# Allegro board rt1064_som_wifi.brd (continued)
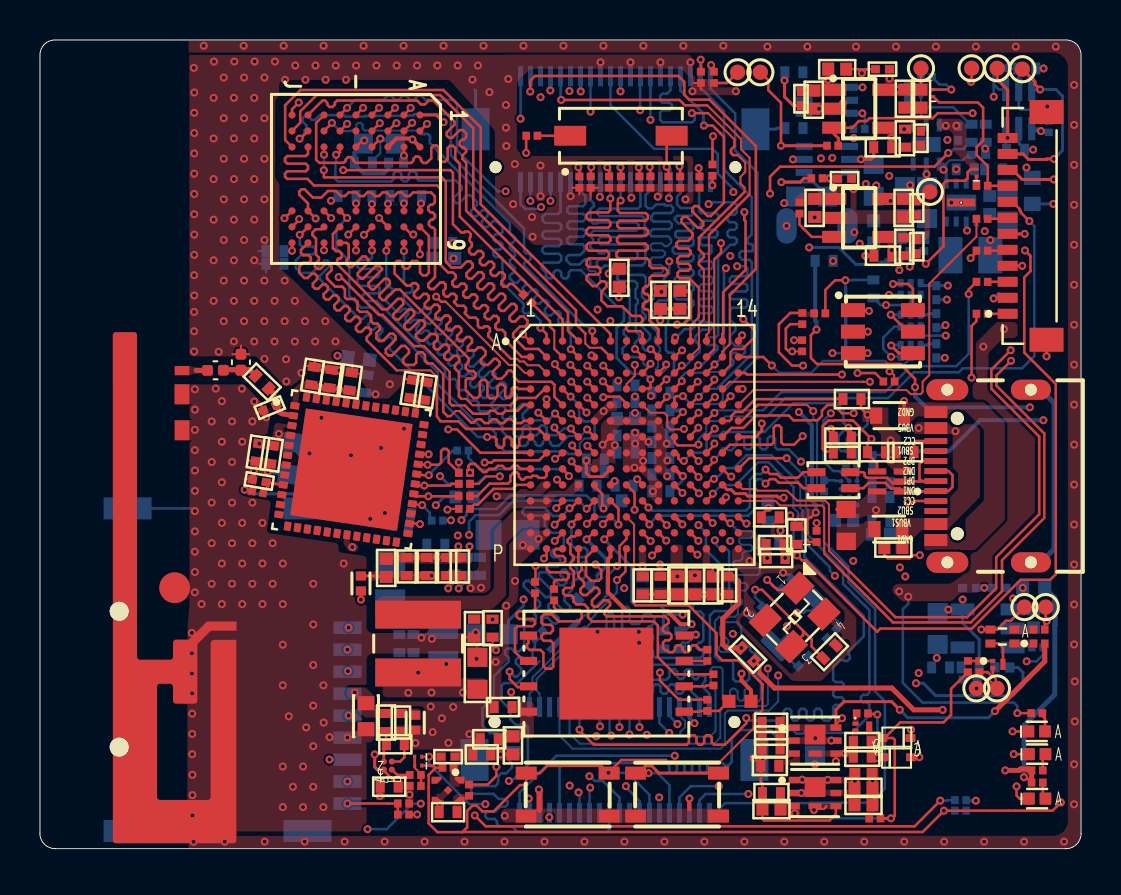
[diagram p0: board, top side]
## Copper pours and planes (outline as drawn; the poured copper is in the pictures) (continued)
GND on BOTTOM: 24.83,3 24.86,3.07 24.93,3.1 25.07,3.1 25.14,3.07 25.17,3 25.17,1.13 25.14,1.06 25.07,1.03 24.93,1.03 24.86,1.06 24.83,1.13
GND on BOTTOM: 22.31,13.91 22.31,13.52 22.26,13.42 22.16,13.37 20.42,13.37 20.42,13.91
GND on BOTTOM: 50.05,10.8 50.05,11.32 48.07,11.32 48.07,10.8
GND on BOTTOM: 42.31,18.6 42.75,18.6 42.75,15.41 42.31,15.41
GND on BOTTOM: 42.12,34.68 42.2,34.65 42.22,34.58 42.22,34.03 42.28,33.89 42.43,33.83 43.26,33.83 43.33,33.8 43.36,33.73 43.36,33.72 43.39,33.65 43.46,33.62 44.02,33.62 44.17,33.68 44.22,33.82 44.22,34.59 44.48,34.59 44.48,33.82 44.54,33.68 44.68,33.62 44.7,33.62 44.84,33.56 44.9,33.42 44.9,32.95 44.96,32.81 45.1,32.75 45.73,32.75 45.73,33.54 45.96,33.54 45.96,32.75 46.23,32.75 46.23,33.54 46.47,33.54 46.47,32.75 47.07,32.75 47.15,32.76 47.21,32.81 47.89,33.49 48.92,33.49 48.92,32.94 49.24,32.63 50.07,32.63 50.09,32.61 50.09,31.92 50.08,31.92 49.23,31.92 48.79,32.36 47.2,32.36 47.2,32.37 46.79,32.37 46.79,32 45.49,32 45.49,32.52 42.97,32.52 42.83,32.58 42.77,32.72 42.77,33.39 42.74,33.47 42.67,33.5 41.73,33.5 41.59,33.55 41.53,33.69 41.53,34.21 41.5,34.28 41.43,34.31 40.09,34.31 40.09,34.68 41.53,34.68
GND on BOTTOM: 39.06,18.03 40.22,18.03 40.22,18.01 40.22,17.23 40.21,17.18 40.18,17.14 40.13,17.09 40.1,17.04 40.09,16.99 40.09,15.72 40.09,15.52 40.11,15.41 40.18,15.31 40.82,14.67 40.89,14.57 40.91,14.45 40.91,14.32 40.87,14.21 40.76,14.17 40.75,14.17 40.68,14.19 40.61,14.23 39.55,15.29 39.51,15.35 39.5,15.43 39.5,16.11 39.49,16.11 39.49,17.48 39.43,17.62 39.29,17.68 39.06,17.68
GND on BOTTOM: 11.28,28.97 10.84,28.97 10.5,29.31 10.5,29.64 11.07,30.21 11.34,30.21 11.5,30.04 11.5,29.08 11.41,28.99 11.3,28.99
GND on BOTTOM: 44.39,10.67 44.86,10.67 44.86,10.66 45.3,10.66 45.3,9.87 44.86,9.87 44.86,8.78 44.39,8.78
GND on BOTTOM: 7.43,40.44 51.34,40.44 51.85,40.23 52.06,39.72 52.06,0.75 51.85,0.24 51.34,0.03 7.43,0.03 7.43,0.64 24.93,0.64 24.93,0.64 50.69,0.64 51.22,0.86 51.44,1.39 51.44,39.09 51.22,39.62 50.69,39.84 7.43,39.84
GND on SIG1: 7.43,40.44 51.34,40.44 51.85,40.23 52.06,39.72 52.06,0.75 51.85,0.24 51.34,0.03 7.36,0.03 7.36,0.64 24.93,0.64 24.93,0.64 50.69,0.64 51.22,0.86 51.44,1.39 51.44,39.09 51.22,39.62 50.69,39.84 7.43,39.84
GND on POWER: 7.46,40.47 51.32,40.47 51.82,40.26 52.04,39.75 52.04,0.78 51.82,0.27 51.32,0.06 7.46,0.06 7.46,0.66 24.9,0.66 24.9,0.66 50.66,0.66 51.19,0.88 51.41,1.41 51.41,39.12 51.19,39.65 50.66,39.87 7.46,39.87
GND_EARTH on BOTTOM: 44.75,14.83 50.15,14.83 50.56,14.41 50.56,14.19 50.2,13.84 44.77,13.84 44.42,14.19 44.42,14.49
GND_EARTH on BOTTOM: 44.72,23.46 50.11,23.46 50.53,23.04 50.53,22.83 50.17,22.47 44.73,22.47 44.38,22.82 44.38,23.12
VBUS on TOP: 43.91,21.35 45.31,21.35 45.38,21.33 45.45,21.29 45.57,21.17 45.64,21.12 45.71,21.11 45.97,21.11 46.05,21.12 46.12,21.17 46.13,21.18 46.2,21.23 46.27,21.24 46.69,21.24 46.77,21.23 46.83,21.18 46.97,21.04 47.02,20.98 47.03,20.9 47.03,17.67 47.02,17.6 46.97,17.53 45.39,15.95 44.13,15.95 43.47,15.29 43.47,14.8 43.45,14.79 42.81,14.79 42.81,16.52 42.83,16.55 45.4,16.55 45.49,16.63 45.54,16.7 45.55,16.78 45.55,17.52 45.57,17.6 45.61,17.66 45.88,17.93 45.92,18 45.94,18.08 45.94,18.79 45.74,19 45.69,19.06 45.68,19.14 45.68,20.66 45.59,20.74 45.31,20.74 45.3,20.75 43.75,20.75 43.75,21.2
VDD_1V1_CAP on TOP: 32.02,15.21 32.12,15.17 32.17,15.06 32.17,13.32 31.79,13.32 31.79,13.32 31.57,13.32 31.57,15.07 31.61,15.17 31.72,15.22 31.78,15.22
VDD_3V3_WIFI on BOTTOM: 15.33,24.11 15.28,23.66 16.64,23.45 16.85,24.75 16.21,24.83 16.11,24.02
VDD_HIGH_IN_3V3 on TOP: 33.16,15.07 33.2,15.18 33.31,15.22 33.38,15.22 33.45,15.21 33.52,15.17 33.53,15.12 33.53,15.07 33.53,14.32 33.86,13.99 33.87,13.97 33.88,13.95 34.7,13.95 34.7,13.31 33.73,13.31 33.73,13.3 33.35,13.3 33.35,13.88 33.35,13.88 33.16,14.07 33.16,14.23 33.16,14.23
VDD_SNVS_3V3 on TOP: 37.56,15.91 38.15,15.91 38.16,15.92 38.22,15.92 38.35,15.79 38.45,15.79 38.48,15.83 38.48,16.32 38.5,16.4 38.54,16.47 38.64,16.57 38.71,16.61 38.78,16.62 38.86,16.62 39.01,16.77 39.01,16.87 38.92,16.96 38.86,17.01 38.78,17.02 38.32,17.02 38.24,17.01 38.18,16.96 37.56,16.34 37.56,15.91
VDD_SNVS_IN on BOTTOM: 30.7,15.83 30.92,16.07 30.92,16.39 31.41,16.39 31.41,14.17 31.36,14.06 31.26,14.02 31.22,14.02 31.22,13.41 30.85,13.41 30.85,14.02 30.75,14.06 30.7,14.16
VDD_SNVS_IN on POWER: 38.66,16.5 40.6,16.5 40.6,13.18 40.52,13 40.35,12.93 35.36,12.93 35.35,12.92 34.96,12.92 34.77,12.89 34.62,12.78 34.5,12.67 34.4,12.51 34.36,12.33 34.36,11.28 34.33,11.09 34.22,10.94 33.24,9.96 33.09,9.85 32.9,9.82 32.48,9.82 32.34,9.88 32.28,10.02 32.28,10.17 32.28,11.23 32.48,11.42 32.48,12.25 32.42,12.39 32.28,12.45 31.28,12.45 30.8,12.65 30.6,13.12 30.6,13.63 30.57,13.82 30.46,13.97 30.13,14.31 30.03,14.46 29.99,14.65 29.99,15.69 30.03,15.87 30.13,16.03 30.41,16.31 30.49,16.37 30.59,16.39 35.88,16.39 36.12,16.14 36.67,16.14 36.67,15.77 36.88,15.56 37.34,15.56 37.56,15.78 37.56,16.14 38.31,16.14
VDD_SOC_IN on TOP: 28.36,21.53 28.48,21.61 28.61,21.64 30.94,21.64 31.09,21.58 31.14,21.44 31.14,21.3 31.2,21.24 31.24,21.06 31.36,20.93 31.36,20.36 31.41,20.31 31.42,20.29 31.43,20.27 31.41,20.22 31.36,20.2 31.36,19.55 31.44,19.47 31.46,19.45 31.46,19.43 31.44,19.38 31.4,19.36 31.38,19.37 31.36,19.37 31.36,18.88 31.32,18.78 31.23,18.73 31.21,18.71 31.19,18.71 31.16,18.71 31.14,18.72 31.06,18.72 30.81,18.83 30.71,19.07 30.71,20.95 30.65,21.11 30.48,21.18 29.11,21.18 29.05,21.17 29,21.14 28.83,20.97 28.94,20.85 28.83,20.74 28.81,20.74 28.81,20.26 28.83,20.23 28.84,20.19 28.84,20.17 28.82,20.14 28.81,20.13 28.81,19.78 28.81,19.77 28.81,19.37 28.76,19.26 28.65,19.22 28.18,19.22 28.08,19.17 28.03,19.07 28.03,18.99 27.99,18.89 27.88,18.84 27.69,18.84 27.59,18.89 27.54,18.99 27.54,19.37 28.07,19.89 28.07,20.86 28.07,21.09 28.1,21.23 28.18,21.35
VDD_SOC_IN on BOTTOM: 28.55,20.91 28.58,20.98 28.65,21.01 29.1,21.01 29.17,20.98 29.2,20.91 29.2,19.61 29.17,19.54 29.1,19.51 28.74,19.51 28.67,19.54 28.64,19.61 28.64,20.01 28.63,20.03 28.62,20.04 28.58,20.04 28.56,20.04 28.55,20.06
VDD_SOC_IN on BOTTOM: 21.83,16.46 23.1,16.46 23.12,16.44 23.12,14.29 23.13,14.21 23.17,14.15 23.21,14.11 23.28,14.01 23.3,13.9 23.3,13.16 23.27,13.04 23.21,12.95 22.26,12 22.2,11.96 22.12,11.94 19.36,11.94 19.3,11.93 19.25,11.9 19.21,11.86 19.17,11.81 19.16,11.75 19.16,11.33 19.12,11.22 19.01,11.18 18.42,11.18 18.31,11.13 18.27,11.03 18.27,10.5 17.84,10.5 17.84,10.51 17.69,10.51 17.68,10.52 17.68,11.32 17.73,11.47 17.88,11.52 18.02,11.52 18.16,11.58 18.22,11.72 18.22,12.06 18.28,12.2 18.42,12.26 19.79,12.26 19.91,12.33 19.96,12.46 19.96,12.47 20,12.58 20.11,12.62 21.94,12.62 21.99,12.63 22.04,12.67 22.09,12.71 22.45,13.07 22.51,13.17 22.53,13.28 22.53,13.89 22.51,14.01 22.45,14.1 22.38,14.16 22.29,14.23 22.17,14.25 21.98,14.25 20.68,14.25 20.68,14.26 20.41,14.26 20.41,14.72 20.35,14.86 20.21,14.92 20.03,14.92 20.03,15.33 20.47,15.33 20.47,15.72 20.53,15.86 20.67,15.92 21.01,15.92 21.15,15.86 21.21,15.72 21.21,15.53 21.27,15.39 21.41,15.33 21.63,15.33 21.78,15.39 21.83,15.53
VDD_SOC_IN on BOTTOM: 31.2,21.45 31.2,18.41 31.85,18.41 31.85,21.45
VDD_SOC_IN on POWER: 32.76,25.81 32.79,25.88 32.86,25.91 40.56,25.91 40.63,25.88 40.66,25.81 40.66,23.68 39,22.02 38.94,22.02 38.57,21.86 38.41,21.49 38.41,19.95 36.84,18.38 36.77,18.38 36.66,18.36 36.57,18.3 35.32,17.05 35.29,17.03 35.25,17.02 30.22,17.02 30.22,17.26 30.22,17.26 30.22,17.5 30.23,17.5 30.23,18.64 30.2,18.71 30.13,18.74 29.57,18.74 28.67,17.83 27.64,17.83 27.45,17.79 27.29,17.68 26.2,16.59 26.16,16.54 26.15,16.48 26.15,16.22 26.09,16.07 25.95,16.02 23.6,16.02 23.39,15.93 23.3,15.72 23.3,14.04 23.21,13.83 23,13.74 22.72,13.74 22.58,13.8 22.52,13.94 22.52,13.99 22.5,14.07 22.46,14.13 22.45,14.15 22.38,14.19 22.29,14.21 20.38,14.21 20.38,16.49 23.1,19.2 27.45,19.2 27.59,19.26 27.65,19.4 27.65,20.47 27.67,20.56 27.72,20.65 27.82,20.74 27.9,20.8 28,20.82 28.24,20.82 28.33,20.84 28.41,20.89 28.66,21.14 28.75,21.2 28.84,21.21 31.31,21.21 31.49,21.14 31.56,20.96 31.56,18.6 31.63,18.42 31.81,18.35 32.76,18.35
VDD_WIFI on TOP: 15.81,23.02 15.99,22.78 16.03,22.7 16.03,22.62 15.96,22.14 15.84,22.05 15.71,22.07 15.69,22.09 15.75,22.46 15.71,22.61 15.58,22.69 14.59,22.84 14.56,22.81 14.51,22.75 14.48,22.68 14.43,22.28 14.4,22.26 14.29,22.27 14.22,22.36 14.22,22.41 14.21,22.44 14.24,22.67 14.2,22.81 14.07,22.89 13.32,23.02 13.24,23.02 13.16,22.98 13.06,22.9 13.01,22.85 12.98,22.77 12.88,22.09 12.9,22.07 12.89,21.99 12.58,22.03 12.72,23 12.75,23.07 12.8,23.13 13.1,23.36 13.17,23.39 13.25,23.4
VDD_WIFI on TOP: 18.24,22.52 18.29,22.83 19.53,22.65 19.53,22.61 19.54,22.6 19.49,22.28 19.48,22.27 19.47,22.2 19.4,22.21 19.32,22.15 19.27,22.13 19.21,22.13 19.1,22.14 19.04,22.14 18.99,22.12 18.93,22.07 18.89,21.77 18.79,21.7 18.71,21.71 18.64,21.8 18.68,22.08 18.65,22.19 18.55,22.25 18.33,22.28 18.29,22.29 18.26,22.32 18.22,22.43 18.23,22.51
VDD_WIFI on TOP: 15.24,15.72 15.28,15.79 15.36,15.81 15.42,15.8 15.48,15.76 15.5,15.69 15.47,15.46 15.5,15.35 15.6,15.29 15.74,15.27 15.82,15.24 15.89,15.18 15.92,15.14 15.94,15.1 15.94,15.07 15.93,15.04 15.91,14.97 15.86,14.91 15.83,14.89 15.76,14.86 15.68,14.85 15.56,14.87 15.48,14.9 15.43,14.95 15.24,15.2 15.2,15.29 15.19,15.38
VDD_WIFI on TOP: 12.83,21.28 12.86,21.25 12.84,21.12 12.72,21.03 12.3,21.09 12.23,21.07 12.19,21.01 12.18,20.96 12.2,20.88 12.27,20.84 12.78,20.77 12.75,20.56 12.71,20.53 12.33,20.59 12.18,20.55 12.1,20.42 12.05,20.07 12.03,19.99 11.97,19.94 11.91,19.89 11.5,19.95 11.5,19.96 10.65,20.08 10.64,20.1 10.71,20.54 11.41,20.44 11.56,20.48 11.63,20.61 11.71,21.13 11.79,21.26 11.94,21.3 12.11,21.28 12.41,21.23 12.45,21.26 12.46,21.31 12.49,21.33
VDD_WIFI on BOTTOM: 13.24,23.04 15.76,22.66 15.82,23.14 13.31,23.48
VDD_WIFI on BOTTOM: 13.25,23.04 13.33,23.49 15.63,23.17 15.69,23.11 15.69,22.55 18.22,22.42 18.28,22.74 18.28,22.84 19.54,22.66 19.46,22.2 19.45,22.2 19.54,21.95 18.82,16.9 18.85,16.88 18.88,16.85 19.23,16.38 19.26,16.33 19.26,16.27 19.23,16.1 19.21,16.04 19.18,16 18.81,15.73 18.41,15.33 18.37,15.3 18.31,15.29 16.51,15.29 16.45,15.28 16.4,15.24 16.07,14.91 16.03,14.88 15.97,14.87 15.62,14.87 15.56,14.88 15.51,14.91 15.38,15.04 15.35,15.09 15.34,15.15 15.34,15.23 15.35,15.29 15.38,15.34 15.54,15.5 15.59,15.53 15.65,15.54 17.87,15.54 17.93,15.56 17.98,15.59 18.2,15.81 18.21,15.81 18.22,15.91 18.22,15.9 18.9,20.54 18.65,21.25 18.5,21.63 15.69,22.05 13.83,20.19 13.73,20.13 13.62,20.1 13.41,20.1 13.29,20.08 13.2,20.02 13.17,19.99 13.07,19.92 12.96,19.9 12.32,19.9 12.16,19.95 12.05,20.08 11.8,20.64 11.8,20.78 11.88,20.89 11.91,20.91 11.99,20.94 12.08,20.93 12.33,20.86 13.2,20.73 13.33,20.74 13.45,20.8 13.88,21.2 14.98,22.24 14.99,22.3 15.01,22.77
VDDA_ADC_3V3 on TOP: 34.75,15.82 34.8,15.94 34.91,15.98 34.98,15.98 35.03,15.94 35.6,15.94 35.67,15.92 35.74,15.88 35.83,15.78 35.83,15.78 35.94,15.68 35.95,15.67 36.12,15.5 36.57,15.5 36.57,15.5 36.57,14.31 36.22,14.31 36.2,14.32 36.18,14.33 35.77,14.74 35.72,14.81 35.71,14.88 35.71,15.42 35.64,15.55 35.51,15.6 34.95,15.6 34.81,15.66 34.75,15.8
VDDA_ADC_3V3 on BOTTOM: 35.84,15.6 36.29,15.6 36.3,15.6 36.3,15.18 36.49,14.99 36.49,14.99 36.61,14.87 36.61,14.26 36.18,14.26 35.84,14.6
DC_5V_IN on TOP: 36.8,6.62 37.27,6.62 37.27,6.38 37.31,6.27 37.42,6.23 37.95,6.23 37.95,6.23 40.11,6.23 40.11,5.9 39.41,5.9 39.31,5.85 39.26,5.75 39.26,5.72 39.31,5.62 39.41,5.57 40.11,5.57 40.11,5.25 39.26,5.25 39.26,5.23 38.34,5.23 38.34,5.25 37.42,5.25 37.31,5.2 37.27,5.09 37.27,4.72 36.8,4.72 ; 1 cut-out
DC_5V_IN on BOTTOM: 25.93,9.19 26.17,8.95 25.73,8.51 25.69,8.44 25.67,8.37 25.67,8.02 25.73,7.88 25.87,7.82 27.24,7.82 27.32,7.81 27.39,7.77 27.61,7.54 27.61,6.65 27.42,6.65 27.39,6.68 27.39,7.51 27.18,7.71 25.76,7.71 25.67,7.62 25.67,7.18 25.67,5.62 25.68,5.58 25.7,5.54 26.12,5.13 26.15,5.06 26.12,4.99 26.02,4.89 25.95,4.86 25.88,4.89 25.37,5.39 25.35,5.43 25.34,5.46 25.34,8.56 25.35,8.6 25.37,8.63
DC_5V_IN on POWER: 26.96,6.57 26.99,6.64 27.06,6.67 40.48,6.67 40.69,6.59 40.78,6.37 40.78,5.58 40.69,5.37 40.48,5.28 40.24,5.28 40.13,5.26 40.03,5.19 38.77,3.93 38.39,3.93 27.24,3.91 27.04,3.99 26.96,4.19 26.96,6.54
DC_SW_OUT on TOP: 23.61,16.83 23.71,16.9 23.82,16.92 25.31,16.92 25.39,16.9 25.45,16.86 25.48,16.84 25.53,16.76 25.55,16.67 25.55,16.36 25.46,16.15 25.25,16.06 24.25,16.06 24.13,16.04 24.04,15.97 23.41,15.34 23.34,15.25 23.32,15.13 23.32,14.28 23.32,14.28 23.32,13.13 23.32,13.13 23.32,12.75 23.31,12.67 23.26,12.6 22.97,12.31 22.77,12.11 22.62,12.01 22.43,11.97 21.83,11.97 21.79,11.97 21.22,11.97 21.12,11.93 21.07,11.82 21.07,11.42 20.79,11.13 16.77,11.13 16.77,12.14 16.81,12.33 16.91,12.49 16.94,12.51 17.1,12.62 17.28,12.65 22.17,12.65 22.34,12.69 22.5,12.79 22.5,12.79 22.63,12.92 22.69,13.02 22.72,13.13 22.72,13.13 22.72,14.28 22.72,14.28 22.72,15.81 22.74,15.93 22.81,16.03
DCDC_3V3 on TOP: 44.96,36.44 45.05,36.5 45.17,36.53 45.94,36.53 46.06,36.5 46.16,36.44 46.28,36.32 46.34,36.22 46.37,36.1 46.37,34.97 46.39,34.86 46.45,34.76 46.93,34.28 46.96,34.25 46.97,34.22 46.97,33.94 46.97,33.94 46.7,33.94 45.79,34.85 45.72,34.94 45.7,35.06 45.7,35.65 45.61,35.86 45.4,35.95 45.17,35.95 44.96,36.03 44.87,36.25 44.87,36.35
DCDC_3V3 on BOTTOM: 47.5,30.31 48.45,30.31 48.53,30.3 48.59,30.25 48.72,30.13 48.76,30.06 48.77,29.99 48.77,27.95 48.76,27.88 48.72,27.81 48.52,27.62 48.46,27.58 48.38,27.56 48.06,27.56 47.99,27.58 47.92,27.62 47.52,28.02 47.46,28.06 47.38,28.08 46.06,28.08 46,28.06 45.95,28.03 45.95,28.02 45.9,27.96 45.89,27.88 45.89,25.48 45.88,25.42 45.84,25.38 45.57,25.1 45.52,25.07 45.46,25.06 44.68,25.06 44.68,25.46 44.7,25.48 45.09,25.48 45.15,25.42 45.47,25.42 45.58,25.52 45.61,25.57 45.62,25.63 45.62,26.45 45.61,26.51 45.58,26.56 45.52,26.61 45.48,26.65 45.42,26.66 44.63,26.66 44.63,26.66 44.63,26.92 45.47,26.92 45.53,26.93 45.58,26.96 45.67,27.05 45.7,27.1 45.71,27.16 45.71,27.89 45.7,27.94 45.67,27.99 45.64,28.02 45.59,28.05 45.53,28.06 44.65,28.06 44.65,28.39 44.68,28.42 47.42,28.42 47.46,28.42 48.13,28.42 48.28,28.48 48.33,28.62 48.33,28.99 48.32,29.07 48.28,29.13 48.13,29.28 47.36,29.28 47.36,30.17
DCDC_3V3 on BOTTOM: 50.33,36.61 50.71,36.61 50.84,36.48 50.96,36.35 50.96,35.42 50.96,35.39 50.94,35.35 50.1,34.51 50.1,33.25 50.06,33.22 49.23,33.22 49.24,33.23 49.24,33.59 49.12,33.72 47.95,33.72 47.95,33.72 47.95,34.32 47.95,34.32 49.58,34.32 49.62,34.33 49.65,34.35 50.79,35.49 50.81,35.52 50.81,35.56 50.81,36.16 50.76,36.22 50.29,36.22 50.28,36.23 50.28,36.56
DCDC_3V3 on BOTTOM: 47.21,31.9 48.74,31.9 48.92,31.73 48.92,30.95 48.52,30.95 48.18,30.61 48.18,28.81 48.17,28.8 46.95,28.8 46.95,30.59 47.21,30.85 47.21,31.22 46.72,31.22 46.72,31.52 47.21,31.52
DCDC_3V3 on SIG1: 38.7,39.49 38.79,39.56 38.91,39.58 43.93,39.58 44.01,39.56 44.08,39.52 45.27,38.32 45.32,38.26 45.33,38.18 45.33,37.85 45.46,37.72 45.74,37.95 46.84,37.96 46.95,37.94 47.04,37.88 47.64,37.35 48.51,37.37 48.63,37.34 48.73,37.27 49.66,36.29 49.72,36.2 49.74,36.09 49.74,31.89 49.71,31.77 49.64,31.66 49.44,31.49 48.24,30.29 48.14,30.23 48.03,30.2 47.75,30.2 47.31,30.2 47.18,30.23 47.08,30.31 46.96,30.44 46.89,30.64 46.97,30.84 47.65,31.59 47.7,31.68 47.72,31.78 47.68,34.18 47.66,34.26 47.63,34.33 47.12,35.19 47.16,36.03 47.16,36.79 47.14,36.9 47.08,37 47,37.08 46.9,37.16 46.78,37.18 46.63,37.18 46.53,37.17 46.44,37.12 46.31,37.01 46.22,36.9 46.19,36.77 46.19,36.15 46.17,36.08 46.13,36.01 46.07,35.95 46,35.9 45.93,35.89 45.44,35.89 45.37,35.9 45.3,35.95 44.46,36.79 44.42,36.85 44.4,36.93 44.4,37.63 44.39,37.71 44.34,37.77 43.25,38.87 43.18,38.91 43.11,38.92 40.27,38.92 40.16,38.9 40.06,38.84 37.47,36.24 37.4,36.15 37.38,36.03 37.38,34.32 37.31,34.25 37.22,34.19 37.1,34.17 37.02,34.17 36.9,34.19 36.8,34.25 36.67,34.39 36.65,34.41 36.65,37.32 36.67,37.43 36.73,37.53
DCDC_3V3 on POWER: 7.47,39.65 9.55,39.65 9.55,22.49 9.4,22.49 9.4,21.15 9.42,21.07 9.46,21.01 9.99,20.48 19.66,20.48 19.74,20.46 19.81,20.42 20.17,20.06 20.21,19.99 20.23,19.92 20.23,18.57 20.24,18.55 20.4,18.39 20.76,18.39 20.84,18.4 20.9,18.44 21.94,19.48 21.94,22.19 22.06,22.32 26.13,22.32 27.3,21.15 27.3,19.32 27.27,19.29 22.9,19.29 20.24,16.62 20.24,14.02 21.27,14.02 21.27,9.92 21.24,9.9 17.77,9.9 17.77,7.68 21.44,7.68 21.44,9.16 21.76,9.16 21.93,8.99 22.01,8.93 22.1,8.92 23.28,8.92 23.35,8.95 23.38,9.02 23.38,9.31 23.36,9.4 23.31,9.48 23.24,9.55 23.19,9.62 23.17,9.72 23.17,10.34 23.17,10.34 23.17,10.91 23.21,10.95 23.28,11 23.35,11.01 24.57,11.01 24.68,11.04 24.78,11.1 28.16,14.48 28.23,14.51 28.3,14.48 31.32,11.45 31.39,11.41 31.46,11.4 32,11.4 32.14,11.34 32.2,11.2 32.2,9.99 32.27,9.81 32.45,9.74 33.18,9.74 33.31,9.76 33.41,9.83 33.89,10.31 34,10.39 34.14,10.41 35.27,10.41 35.41,10.55 35.41,11.8 35.7,12.1 44.96,12.1 45.01,12.15 45.12,12.31 45.16,12.5 45.16,16.42 45.08,16.6 44.91,16.67 43.01,16.67 43.01,22.19 41.59,22.19 41.48,22.16 41.38,22.1 40.67,21.39 40.61,21.29 40.58,21.18 40.58,20.09 40.57,20.01 40.53,19.95 37.36,16.78 37.36,15.86 37.31,15.72 37.16,15.66 37.01,15.66 36.87,15.72 36.81,15.86 36.81,17.21 36.79,17.28 36.75,17.35 36.66,17.43 36.62,17.5 36.61,17.57 36.61,17.76 36.62,17.84 36.66,17.91 37.03,18.27 37.04,18.27 39.13,20.37 39.19,20.46 39.22,20.58 39.22,21.85 41.01,23.64 40.82,23.64 40.82,26.12 31.97,26.12 31.83,26.18 31.77,26.32 31.77,27.99 31.71,28.13 31.57,28.19 26.29,28.19 26.16,28.14 26.11,28.01 26.11,22.64 26.07,22.53 25.96,22.49 22.13,22.49 22.13,22.49 11.75,22.49 11.4,22.64 11.25,22.99 11.25,27.86 11.4,28.22 11.75,28.36 20.19,28.36 20.54,28.51 20.69,28.86 20.69,37.37 20.83,37.73 21.19,37.87 34.84,37.87 34.84,36.95 34.89,36.8 35.04,36.75 36.56,36.75 36.7,36.69 36.76,36.55 36.76,35.5 36.76,35.5 36.76,31.68 36.82,31.54 36.96,31.48 39.53,31.48 39.74,31.4 39.83,31.18 39.83,30.84 39.85,30.72 39.92,30.62 40.57,29.97 40.67,29.91 40.78,29.88 43.32,29.88 43.43,29.91 43.53,29.97 44.44,30.88 44.5,30.98 44.53,31.1 44.53,31.18 44.61,31.4 44.83,31.48 46.94,31.48 47.08,31.42 47.14,31.28 47.14,11.35 47.12,11.25 47.07,11.17 46.78,10.88 46.7,10.83 46.6,10.81 45.56,10.81 45.47,10.79 45.39,10.74 42.49,7.84 35.71,7.84 35.57,7.9 35.51,8.04 35.51,8.72 35.45,8.87 35.31,8.92 34.82,8.92 34.68,8.87 34.62,8.72 34.62,8.04 34.56,7.9 34.42,7.84 25.19,7.84 25.09,7.74 24.9,7.74 24.72,7.7 24.56,7.6 22.72,5.76 22.62,5.6 22.58,5.42 22.58,4.11 22.52,3.97 22.38,3.91 12.66,3.91 12.48,3.88 12.32,3.77 11.57,3.02 11.41,2.92 11.23,2.88 7.52,2.88 7.47,2.88 7.47,14.77 7.48,14.83 7.48,21.13 7.47,21.13 7.47,22.47 7.47,22.48 7.47,23.5 7.47,23.5
DCDC_OUT on TOP: 16.77,9.54 19.02,9.54 19.02,9.54 20.91,9.54 20.94,9.51 20.94,8.52 22.19,8.52 22.34,8.46 22.39,8.32 22.39,7.58 18.05,7.58 18.05,8.11 16.77,8.11
DCDC_OUT on TOP: 17.15,9.54 19.4,9.54 19.4,9.53 21.07,9.53 21.07,8.53 21.32,8.53 21.32,7.58 17.35,7.58 17.21,7.63 17.15,7.78
DCDC_OUT on BOTTOM: 17.69,10.04 18.96,10.04 19.03,10.02 19.1,9.98 19.13,9.95 19.2,9.9 19.27,9.89 20.95,9.89 20.95,9.28 20.43,8.76 19.64,8.76 19.64,8.89 19.05,9.49 18.98,9.53 18.91,9.55 17.73,9.55 17.69,9.59
DCDC_OUT on POWER: 19.07,9.59 19.14,9.59 20.75,9.59 20.96,9.51 21.05,9.29 21.05,8.75 21.11,8.6 21.25,8.55 21.34,8.55 21.41,8.52 21.44,8.45 21.44,7.8 21.35,7.59 21.14,7.5 18.11,7.5 17.96,7.56 17.91,7.7 17.91,9.39 17.96,9.53 18.11,9.59
FB_U4 on TOP: 41.68,36.38 42.84,36.38 42.84,35.33 43.57,35.33 43.68,35.43 44.29,35.43 44.3,35.42 44.3,34.98 44.19,34.88 42.84,34.88 42.84,34.82 42.42,34.82 42.39,34.85 42.39,35.79 42.34,35.85 41.72,35.85 41.68,35.9 41.68,36.37
FB_U26 on BOTTOM: 46.42,8.27 46.42,10.37 45.88,10.37 45.88,8.27
FLASH_V on TOP: 23.44,7.37 24.52,7.37 24.66,7.31 24.72,7.17 24.72,5.71 24.66,5.57 24.52,5.51 23.99,5.51 23.99,5.32 23.16,5.32 23.16,5.19 22.72,5.19 22.72,5.78 22.72,5.77 23.16,5.77 23.31,5.93 23.33,5.93 23.33,5.94 23.82,5.94 23.96,6 24.02,6.14 24.02,6.66 23.96,6.81 23.82,6.86 23.44,6.86
FLASH_VCC on POWER: 45.45,10.62 45.52,10.67 45.59,10.68 46.12,10.68 46.31,10.56 46.26,10.34 45.75,9.82 45.75,9.82 42.8,6.87 42.72,6.82 42.62,6.8 40.91,6.8 26.33,6.8 26.31,6.73 26.3,6.67 26.3,4.11 26.26,4 26.15,3.96 22.87,3.96 22.77,4 22.72,4.11 22.72,5.37 22.73,5.41 22.74,5.44 22.74,5.53 24.92,7.71 25.7,7.71 25.77,7.71 34.55,7.71 34.69,7.77 34.75,7.91 34.75,8.23 34.75,8.23 34.75,8.83 34.76,8.87 34.78,8.9 34.96,9.08 34.99,9.1 35.03,9.11 35.11,9.11 35.15,9.1 35.18,9.08 35.36,8.9 35.38,8.87 35.39,8.83 35.39,7.91 35.45,7.77 35.59,7.71 42.44,7.71 42.53,7.73 42.61,7.78
FLASH_VCC on POWER: 40.53,19.69 40.87,19.69 40.97,19.67 41.05,19.61 41.42,19.24 41.48,19.16 41.5,19.06 41.5,15.94 41.52,15.85 41.57,15.77 43.38,13.96 43.43,13.88 43.45,13.78 43.45,13.41 43.08,13.41 42.98,13.39 42.9,13.34 42.59,13.03 42.51,12.97 42.41,12.95 40.99,12.95 40.81,13.03 40.74,13.2 40.74,16.66 39.8,16.66 39.8,16.66 38.71,16.66 38.28,16.23 37.62,16.23 37.48,16.38 37.48,16.63 37.47,16.65 37.46,16.68 37.49,16.75 37.56,16.78 37.62,16.78 38.8,17.95
LDO_1V8 on BOTTOM: 45.95,13.27 46.38,13.27 46.38,12.27 46.77,12.27 46.77,11.69 44.42,11.69 44.42,12.27 45.95,12.27
MCU_DCDC_IN_3V3 on TOP: 26.74,18.37 26.8,18.41 26.88,18.43 27.04,18.43 27.12,18.4 27.15,18.32 27.15,18.26 27.14,18.17 27.08,18.09 26.81,17.82 26.66,17.72 26.47,17.68 25.99,17.68 25.9,17.66 25.82,17.61 25.68,17.47 25.63,17.39 25.54,17.12 25.36,17.05 23.74,17.05 23.62,17.02 23.52,16.96 22.64,16.07 22.57,15.98 22.55,15.86 22.55,15.55 22.55,15.55 22.55,14.28 22.55,13.1 22.46,12.89 22.25,12.8 21.63,12.8 21.42,12.89 21.33,13.1 21.33,13.1 21.27,13.25 21.13,13.3 17.03,13.3 17.03,13.31 17,13.31 17,13.42 15.81,13.42 15.81,13.43 15.81,13.88 17.03,13.88 17.03,13.88 17.79,13.88 17.79,13.88 21.64,13.88 21.85,13.96 21.94,14.17 21.94,14.28 21.94,14.28 21.94,15.55 21.94,17.04 21.96,17.11 22,17.18 22.12,17.3 22.18,17.34 22.26,17.35 24.15,17.35 24.26,17.38 24.36,17.44 24.47,17.55 25.01,17.55 25.13,17.57 25.22,17.64 25.43,17.84 25.51,17.9 25.61,17.91 26.08,17.91 26.27,17.95 26.42,18.06
MCU_DCDC_IN_3V3 on BOTTOM: 18.71,13.66 18.77,13.8 18.91,13.86 19.51,13.86 19.72,13.78 19.81,13.56 19.81,12.67 19.72,12.46 19.51,12.37 18.07,12.37 18.07,12.08 17.47,12.08 17.47,12.07 16.95,12.07 16.95,12.08 16.78,12.08 16.78,12.99 18.51,12.99 18.65,13.05 18.71,13.19
Net_141 on POWER: 41.07,21.66 41.15,21.71 41.24,21.73 41.97,21.73 42.06,21.71 42.14,21.66 42.71,21.09 42.76,21.01 42.78,20.92 42.78,17.05 42.8,16.96 42.85,16.88 43.15,16.58 43.23,16.53 43.32,16.51 44.68,16.51 44.77,16.49 44.85,16.44 44.88,16.41 44.94,16.33 44.95,16.23 44.95,12.62 44.94,12.53 44.88,12.45 44.79,12.36 44.71,12.3 44.62,12.29 44.42,12.29 44.33,12.3 44.25,12.36 43.97,12.64 43.91,12.72 43.89,12.81 43.89,13.57 43.88,13.67 43.82,13.75 41.77,15.8 41.66,15.96 41.63,16.15 41.63,19.17 41.61,19.26 41.56,19.34 40.85,20.04 40.8,20.12 40.78,20.21 40.78,21.27 40.8,21.37 40.85,21.45
NVCC_EMC on BOTTOM: 28.62,23.41 28.65,23.49 28.72,23.51 29.07,23.51 29.14,23.49 29.17,23.41 29.17,21.28 29.14,21.21 29.07,21.18 28.72,21.18 28.65,21.21 28.62,21.28
NVCC_EMC on POWER: 26.4,27.78 26.45,27.89 26.56,27.94 29.13,27.94 29.27,27.88 29.33,27.74 29.33,21.65 29.21,21.37 28.93,21.25 28.77,21.25 28.59,21.22 28.43,21.11 28.36,21.04 28.21,20.94 28.02,20.9 27.84,20.94 27.68,21.04 26.4,22.33
NVCC_GPIO on BOTTOM: 31.19,21.62 31.19,23.14 31.85,23.14 31.85,21.62
NVCC_GPIO on POWER: 29.48,27.84 29.54,27.98 29.68,28.04 31.37,28.04 31.51,27.98 31.57,27.84 31.57,26.18 31.63,26.04 31.77,25.98 32.47,25.98 32.58,25.94 32.62,25.83 32.62,21.26 32.58,21.21 32.5,21.1 32.48,20.96 32.48,18.68 32.42,18.54 32.28,18.48 31.63,18.48 31.63,21.21 31.59,21.4 31.48,21.55 31.45,21.59 31.29,21.69 31.11,21.73 30.64,21.73 30.45,21.76 30.29,21.87 30.19,21.97 30.09,22.13 30.05,22.31 30.05,22.82 29.99,22.96 29.85,23.02 29.68,23.02 29.54,23.07 29.48,23.22
NVCC_SD on TOP: 42.29,39.22 42.74,39.22 42.74,38.29 44.41,38.29 44.41,38.29 44.41,37.69 41.64,37.69 41.64,38.29 41.65,38.29 42.29,38.29
NVCC_SD on BOTTOM: 21.08,17.29 21.08,18.04 21.15,18.11 21.15,18.96 21.11,19.01 20.93,19.01 20.77,18.85 20.77,18.14 20.77,18.13 20.56,17.92 20.47,17.92 20.47,17.28 20.48,17.28 21.08,17.28
NVCC_SD on POWER: 9.59,39.63 13.51,39.63 13.52,39.63 42.96,39.63 43.07,39.6 43.17,39.54 43.32,39.38 43.39,39.29 43.41,39.17 43.41,37.95 43.32,37.73 43.11,37.65 42.77,37.65 42.66,37.67 42.57,37.73 42.17,38.13 42.13,38.2 42.11,38.27 42.11,38.64 42.09,38.72 42.05,38.78 42.01,38.82 41.94,38.87 41.87,38.88 38.56,38.88 38.45,38.86 38.35,38.79 37.93,38.37 37.83,38.31 37.72,38.29 11.6,38.29 11.48,38.26 11.39,38.2 11.19,38.01 11.13,37.91 11.11,37.79 11.11,22.88 11.25,22.52 11.61,22.38 21.16,22.38 21.27,22.35 21.37,22.29 21.72,21.94 21.78,21.85 21.8,21.73 21.8,19.67 21.78,19.56 21.72,19.46 20.86,18.61 20.76,18.54 20.65,18.52 20.49,18.52 20.49,20 20.46,20.11 20.4,20.21 20.08,20.53 19.98,20.59 19.87,20.61 10.05,20.61 9.59,21.08
NVCC_SD0 on BOTTOM: 27.11,19.74 27.57,19.74 27.57,18.7 27.38,18.7 27.2,18.53 27.2,17.87 27.12,17.87 27.12,17.87 26.18,17.87 26.14,17.86 26.1,17.84 25.31,17.84 25.24,17.84 25.17,17.84 23.47,17.84 23.47,17.84 22.74,17.84 22.26,17.36 22.16,17.3 22.05,17.28 21.42,17.28 21.39,17.31 21.39,17.91 21.98,17.91 22.34,18.27 22.44,18.34 22.55,18.36 25.6,18.36 25.6,18.33 25.7,18.23 25.93,18.23 25.93,18.23 26.42,18.23 26.46,18.24 26.5,18.26 27.11,18.87
NVCC_SD1 on POWER: 35.96,17.51 36.17,17.6 36.38,17.51 36.58,17.31 36.65,17.21 36.67,17.1 36.67,16.83 36.65,16.71 36.58,16.61 36.57,16.6 36.47,16.54 36.36,16.51 30.47,16.51 30.02,16.06 28.88,16.06 28.34,16.59 28.31,16.62 27.99,16.94 27.99,17.1 28.03,17.21 28.14,17.25 29.23,17.25 29.3,17.23 29.37,17.19 29.65,16.9 35.15,16.9 35.34,16.94 35.49,17.05
OVR_V_FLAG on TOP: 36.83,3.08 37.28,3.08 37.28,2.31 38.04,2.31 38.04,1.65 37.28,1.65 37.28,1.65 36.83,1.65 36.83,1.65 36.76,1.65 36.76,2.31 36.83,2.31
OVR_V_FLAG on TOP: 41.34,6.36 41.65,6.36 41.65,5.88 41.69,5.78 41.8,5.73 42.26,5.73 42.26,5.35 41.98,5.35 41.87,5.3 41.83,5.2 41.83,5.04 41.34,5.04
SD_VDD on TOP: 16.22,8.07 16.3,8.05 16.36,8.01 16.7,7.68 16.74,7.61 16.76,7.54 16.76,7.21 16.82,7.06 16.96,7 18.88,7 18.99,6.96 19.03,6.85 19.03,6.45 18.57,6.45 18.53,6.46 18.5,6.48 18.47,6.51 18.44,6.53 18.4,6.54 17.03,6.54 17.01,6.56 16.34,6.56 16.26,6.57 16.2,6.62 15.95,6.86 15.91,6.93 15.89,7.01 15.89,7.35 15.83,7.49 15.69,7.55 15.56,7.55 15.42,7.61 15.36,7.75 15.36,7.87 15.42,8.01 15.56,8.07
SDRAM_3V3 on POWER: 11.11,37.56 11.17,37.71 11.31,37.76 20.32,37.76 20.46,37.71 20.52,37.56 20.52,28.76 20.46,28.62 20.32,28.56 11.31,28.56 11.17,28.62 11.11,28.76
U1_SW on BOTTOM: 45.73,31.65 45.73,30.84 45.51,30.62 44.96,30.62 44.96,28.81 44.97,28.8 46.16,28.8 46.17,28.81 46.17,30.45 45.98,30.65 45.98,31.64 45.98,31.65
U1_VIN on BOTTOM: 42.77,32.01 44.9,32.01 44.9,31.59 45.47,31.59 45.47,31.14 44.9,31.14 44.9,31.07 44.45,31.07 44.45,29.71 44,29.71 44,31.07 42.77,31.07 42.77,31.14 41.39,31.14 41.39,31.59 42.77,31.59
U6_FB on TOP: 42.82,30.9 42.82,29.9 44.08,29.9 44.08,29.45 42.41,29.45 42.4,29.46 42.4,30.37 41.68,30.37 41.68,30.9
U6_VIN on TOP: 38.97,33.76 40.14,33.76 40.14,33.33 40.14,33.33 40.14,32.82 40.35,32.82 40.35,32.25 40.33,32.23 38.45,32.23 38.38,32.16 37.81,32.16 37.81,32.55 38.08,32.82 39.69,32.82 39.69,33.33 38.97,33.33
VFB_U1 on BOTTOM: 46.53,34.31 47.5,34.31 47.5,33.7 46.98,33.7 46.98,33.04 46.72,33.04 46.72,33.7 46.53,33.7
VLDO_3V3 on TOP: 43.69,32.82 44.2,32.82 44.54,32.48 44.54,30.66 44.22,30.34 42.95,30.34 42.95,30.8 42.97,30.79 44.16,30.79 44.26,30.89 44.26,32.08 44.11,32.23 44.08,32.23 44.07,32.22 41.64,32.22 41.64,32.82 43.69,32.82
N3251712 on TOP: 20.81,2.73 21.64,2.73 21.64,2.45 21.08,2.45 21.08,1.52 20.67,1.52 20.67,2.59
N3285558 on TOP: 40.65,6.02 40.93,6.02 40.93,4.31 40.48,4.31 40.48,4.46 40.43,4.56 40.33,4.61 38.45,4.61 38.45,4.92 40.33,4.92 40.43,4.96 40.48,5.07 40.48,5.64 40.5,5.64 40.6,5.68 40.65,5.79
N3296758 on SIG1: 39.49,36.98 39.56,37.03 39.64,37.04 41.18,37.04 41.32,36.98 41.38,36.84 41.38,36.77 41.32,36.63 41.18,36.57 39.79,36.57 39.72,36.55 39.65,36.51 38.01,34.87 37.97,34.8 37.95,34.73 37.95,34.46 37.9,34.32 37.75,34.26 37.66,34.26 37.52,34.32 37.46,34.46 37.46,34.87 37.48,34.95 37.52,35.01
N3365194 on TOP: 42.94,21.27 42.94,22.14 43,22.29 43.14,22.34 47.16,22.34 47.23,22.33 47.3,22.29 48.22,21.36 48.27,21.3 48.28,21.22 48.28,16.53 48.27,16.45 48.22,16.39 46.84,15 46.77,14.96 46.7,14.94 44.35,14.94 44.32,14.97 44.27,15.04 44.26,15.11 44.26,15.75 45.38,15.75 45.67,15.46 45.73,15.42 45.81,15.4 46.13,15.4 46.2,15.42 46.27,15.46 46.31,15.5 46.31,16.42 46.32,16.49 46.37,16.56 47.24,17.43 47.24,20.89 47.22,20.96 47.18,21.03 46.33,21.87 46.27,21.92 46.19,21.93 45.77,21.93 45.69,21.92 45.62,21.87 45.45,21.7 45.38,21.65 45.31,21.64 43.97,21.64 43.9,21.62 43.83,21.58 43.52,21.26 42.95,21.26
N32274071 on TOP: 39.86,16.18 39.86,14.96 40.81,14.96 41.45,15.61 42.05,15.61 42.07,15.63 42.07,16.39 41.32,16.39 41.19,16.27 39.95,16.27
N32561662 on TOP: 37.7,4.92 38.02,4.92 38.02,4.34 37.98,4.24 37.87,4.19 37.2,4.19 37.2,3.85 36.75,3.85 36.75,4.19 36.75,4.19 36.75,4.45 36.75,4.46 37.55,4.46 37.66,4.5 37.7,4.61
5V_USB_OTG on SIG1: 31.96,11.76 32.01,11.86 32.11,11.91 32.27,11.91 32.27,11.91 32.76,11.91 32.9,11.88 33.02,11.8 33.84,10.98 33.95,10.91 34.09,10.88 34.67,10.88 34.77,10.83 34.82,10.73 34.82,10.7 34.77,10.59 34.67,10.55 33.75,10.55 33.61,10.57 33.49,10.65 33.17,10.98 33.17,10.98 32.72,11.43 32.63,11.49 32.51,11.51 32.11,11.51 32.01,11.56 31.96,11.66
GND on TOP: 29.99,20.81 30.03,20.83 30.08,20.84 30.16,20.84 30.26,20.79 30.31,20.69 30.31,19.98 30.33,19.94 30.33,19.9 30.33,19.18 30.35,19.1 30.39,19.04 31.04,18.39 31.12,18.34 31.15,18.25 31.15,17.4 31.1,17.3 31,17.25 30.99,17.25 30.97,17.23 30.88,17.23 30.84,17.28 30.81,17.3 30.79,17.33 30.53,17.59 30.48,17.65 30.47,17.73 30.47,18.34 30.45,18.42 30.41,18.48 30.09,18.8 30.03,18.84 29.95,18.85 29.32,18.85 29.21,18.9 29.17,19 29.17,20.66 29.21,20.77 29.32,20.81
GND on TOP: 17.01,14.8 21.48,14.8 21.59,14.75 21.63,14.65 21.63,14.41 21.59,14.31 21.48,14.26 17.01,14.26
GND on TOP: 10.57,19.65 10.57,19.65 10.51,19.23 10.51,19.17 10.54,19.12 10.73,18.86 10.77,18.83 10.83,18.81 11.43,18.72 11.49,18.72 11.54,18.75 11.72,18.88 11.76,18.93 11.78,18.98 11.8,19.11 11.5,19.52
GND on TOP: 31.68,34.57 31.71,34.64 31.78,34.67 32.49,34.67 32.64,34.61 32.69,34.47 32.69,32.46 32.64,32.32 32.49,32.26 32.33,32.26 32.25,32.27 32.19,32.32 32.18,32.33 32.13,32.39 32.12,32.47 32.12,32.55 32.41,32.83 32.41,34.26 32.35,34.4 32.21,34.46 31.78,34.46 31.71,34.49 31.68,34.56
GND on BOTTOM: 34.62,37.86 34.59,37.93 34.62,38 34.75,38.12 34.82,38.15 34.89,38.12 35.97,37.04 35.99,37 36,36.97 36,35.6 35.52,35.6 35.52,36.92 35.51,36.96 35.49,36.99
GND on BOTTOM: 21.03,5.72 21.09,5.86 21.23,5.92 21.86,5.92 22,5.86 22.06,5.72 22.06,3.39 21.03,3.39
GND on BOTTOM: 17,16.95 17.08,17.08 17.23,17.12 17.93,17.02 17.93,17.01 17.77,15.88 17.31,15.96 17.39,16.5 17.15,16.53 17.01,16.61 16.98,16.76
GND on BOTTOM: 42.23,16.06 42.23,14.87 42.24,14.79 42.29,14.73 42.47,14.54 42.54,14.5 42.61,14.49 44.05,14.49 44.11,14.5 44.16,14.53 44.19,14.55 44.22,14.6 44.23,14.66 44.23,14.82 44.17,14.96 44.03,15.02 42.93,15.02 42.87,15.03 42.82,15.06 42.8,15.09 42.77,15.14 42.75,15.19 42.75,16.05 42.74,16.06
GND on BOTTOM: 36.94,30.69 37.06,30.41 37.34,30.29 37.51,30.29 37.79,30.41 37.91,30.69 37.91,31.68 37.94,31.83 38.03,31.96 38.27,32.21 38.29,32.21 38.29,33.16 37.38,33.16 37.06,32.84 36.97,32.71 36.94,32.56
GND on GND1: 0,39.72 0.22,40.25 0.75,40.47 51.35,40.47 51.88,40.25 52.1,39.72 52.1,0.75 51.88,0.22 51.35,0 0.75,0 0.22,0.22 0,0.75
GND on SIG1: 29.18,13.23 29.32,13.28 29.45,13.23 30.07,12.64 30.12,12.58 30.14,12.5 30.15,9.68 30.13,9.6 30.09,9.54 29.68,9.11 29.61,9.07 29.53,9.05 29.43,9.05 29.28,9.11 29.23,9.25 29.23,10.35 29.25,10.42 29.28,10.48 29.56,10.81 29.6,10.87 29.61,10.94 29.55,12.44 29.53,12.51 29.48,12.58 28.97,13.03
VDD_SNVS_CAP on BOTTOM: 32.06,16.35 32.15,16.38 32.23,16.35 32.29,16.35 32.35,16.34 32.4,16.31 32.63,16.07 32.67,16.02 32.68,15.96 32.68,14.6 33.07,14.22 33.1,14.17 33.11,14.11 33.11,13.33 33.08,13.3 32.46,13.3 32.46,13.31 32.46,13.89 32.44,13.95 32.41,13.99 31.86,14.54 31.83,14.59 31.82,14.65 31.82,16.17 31.83,16.23 31.86,16.27 31.9,16.31 31.95,16.34 32.01,16.35
VDD_SOC_IN on SIG1: 28.54,21.4 28.57,21.47 28.64,21.5 30.42,21.5 30.52,21.48 30.59,21.43 31.1,20.93 31.26,20.82 31.44,20.78 31.45,20.78 31.52,20.75 31.55,20.68 31.55,18.47 31.46,18.25 31.25,18.17 30.5,18.17 30.28,18.25 30.19,18.47 30.19,18.56 29.98,19.08 29.47,19.29 28.85,19.29 28.63,19.38 28.55,19.59 28.55,20.66 28.55,21.23 28.54,21.29
VDD_USB_3V on POWER: 29.58,18.65 29.66,18.7 29.75,18.72 29.87,18.72 29.96,18.7 30.04,18.65 30.07,18.62 30.12,18.54 30.14,18.45 30.14,18.26 30.12,18.16 30.06,18.08 29.43,17.45 29.35,17.39 29.26,17.38 28.01,17.38 27.93,17.34 27.9,17.27 27.9,14.64 27.88,14.5 27.8,14.38 24.77,11.36 24.69,11.3 24.6,11.29 23.39,11.29 23.16,11.34 22.98,11.51 22.98,12.35 23,12.44 23.05,12.52 23.29,12.75 23.37,12.8 23.46,12.82 24.07,12.82 24.25,12.86 24.41,12.96 26.08,14.63 26.18,14.79 26.22,14.98 26.22,15.6 26.31,15.82 26.52,15.9 26.54,15.9 26.65,15.93 26.75,15.99 26.82,16.07 26.89,16.16 26.91,16.28 26.91,17.05 26.93,17.16 27,17.26 27.36,17.62 27.52,17.73 27.71,17.76 27.91,17.76 27.91,17.76 28.7,17.76
DC_5V_IN on BOTTOM: 27.39,7.6 27.63,7.6 27.63,6.12 27.64,6.06 27.68,6.01 27.88,5.81 27.92,5.78 27.98,5.76 30.13,5.76 30.19,5.78 30.24,5.81 30.34,5.9 30.37,5.95 30.38,6.01 30.38,7.5 30.38,7.5 30.62,7.5 30.62,5.61 30.61,5.55 30.58,5.5 30.56,5.48 30.51,5.45 30.45,5.44 27.73,5.44 27.67,5.45 27.63,5.48 27.43,5.68 27.4,5.73 27.39,5.78 27.39,7.59
DCDC_OUT on BOTTOM: 19.43,9.88 20.95,9.88 20.95,8.72 21.01,8.58 21.15,8.52 22.22,8.52 22.36,8.46 22.42,8.32 22.42,7.69 22.36,7.55 22.22,7.49 19.63,7.49 19.49,7.55 19.43,7.69
FLASH_VCC on BOTTOM: 42.63,14.12 42.69,14.26 42.83,14.32 43.29,14.32 43.37,14.31 43.43,14.26 44.34,13.36 44.4,13.26 44.43,13.15 44.43,12.76 44.41,12.66 44.37,12.56 44.29,12.4 44.25,12.22 44.25,12.04 44.25,8.28 44.25,8.27 44.01,8.03 43.87,7.98 43.73,8.03 43.46,8.3 43.42,8.37 43.4,8.44 43.4,11.85 43.42,11.93 43.46,11.99 43.78,12.32 43.82,12.37 43.83,12.44 43.83,12.74 43.82,12.79 43.79,12.82 43.46,13.15 43.44,13.18 42.69,13.93 42.65,14 42.63,14.07
MCU_DCDC_IN_3V3 on POWER: 21.43,13.02 21.51,13.23 21.73,13.32 22.75,13.32 22.96,13.23 23.05,13.02 23.05,10.44 23.05,10.44 23.05,9.82 23.07,9.73 23.12,9.65 23.19,9.58 23.24,9.5 23.26,9.41 23.26,9.12 23.23,9.05 23.16,9.02 21.99,9.02 21.89,9.04 21.82,9.09 21.51,9.39 21.45,9.49 21.43,9.6
NVCC_EMC on TOP: 28.32,22.29 28.37,22.4 28.47,22.44 28.74,22.44 28.85,22.4 28.89,22.29 28.89,22.04 28.85,21.93 28.74,21.89 28.64,21.89 28.51,21.87 28.41,21.81 27.91,21.31 27.89,21.29 27.73,21.23 27.59,21.31 27.57,21.32 27.53,21.42 27.57,21.53 27.98,21.94 27.99,21.94
NVCC_SD on SIG1: 42.16,38.72 42.12,38.66 42.1,38.58 42.1,38.13 42.12,38.05 42.16,37.99 42.76,37.39 42.8,37.32 42.82,37.25 42.82,35.79 42.85,35.76 42.89,35.69 42.91,35.62 42.91,35.15 42.96,35.01 43.11,34.95 43.65,34.95 43.73,34.97 43.79,35.01 44.14,35.37 44.19,35.43 44.2,35.51 44.2,37.61 44.19,37.69 44.14,37.76 43.14,38.76 43.08,38.8 43,38.81 42.33,38.81 42.26,38.8 42.19,38.76
SDRAM_3V3 on BOTTOM: 19.97,29.21 19.97,30.62 19.97,30.62 19.62,30.62 19.5,30.6 19.4,30.53 18.93,30.06 18.86,29.96 18.84,29.84 18.84,29.75 18.86,29.63 18.93,29.53 19.16,29.3 19.26,29.24 19.37,29.22 19.96,29.22
SDRAM_3V3 on BOTTOM: 11.98,28.99 11.98,30.22 12.62,30.22 12.77,30.16 12.82,30.02 12.82,29.92 12.81,29.84 12.77,29.78 12.48,29.49 12.45,29.44 12.43,29.39 12.43,28.98 11.99,28.98
V_BRD on BOTTOM: 41.47,19.33 41.87,19.33 41.88,19.32 41.88,18.5 41.87,18.49 41.87,17.3 41.41,17.3 41.41,17.39 41.38,17.46 41.31,17.49 40.94,17.49 40.84,17.54 40.79,17.64 40.79,17.72 40.75,17.83 40.64,17.88 40.46,17.88 40.39,17.91 40.37,17.98 40.37,18.03 40.39,18.1 40.46,18.13 41.22,18.13 41.3,18.15 41.36,18.19 41.41,18.24 41.41,18.48 41.41,18.49 41.41,18.6 41.47,18.65 41.47,19.33

Small or netless copper shapes (teardrops, artwork), in the pictures only: 26 on TOP, 20 on BOTTOM

## Text on the board
DISPLAY_TOP: 10 x 6
